# Altium PCB DIOT_temperature_logger.PcbDoc (part 4 of 8)
Units mm, origin at the board's own origin, x right, y up, seen from the top; angles counter-clockwise.
Board outline 300.88 x 109 mm, 4 copper layers (TOP, MID1, MID2, BOT), stack 1.564 mm thick; 654 components, 622 nets, 3422 pads, 1095 vias.
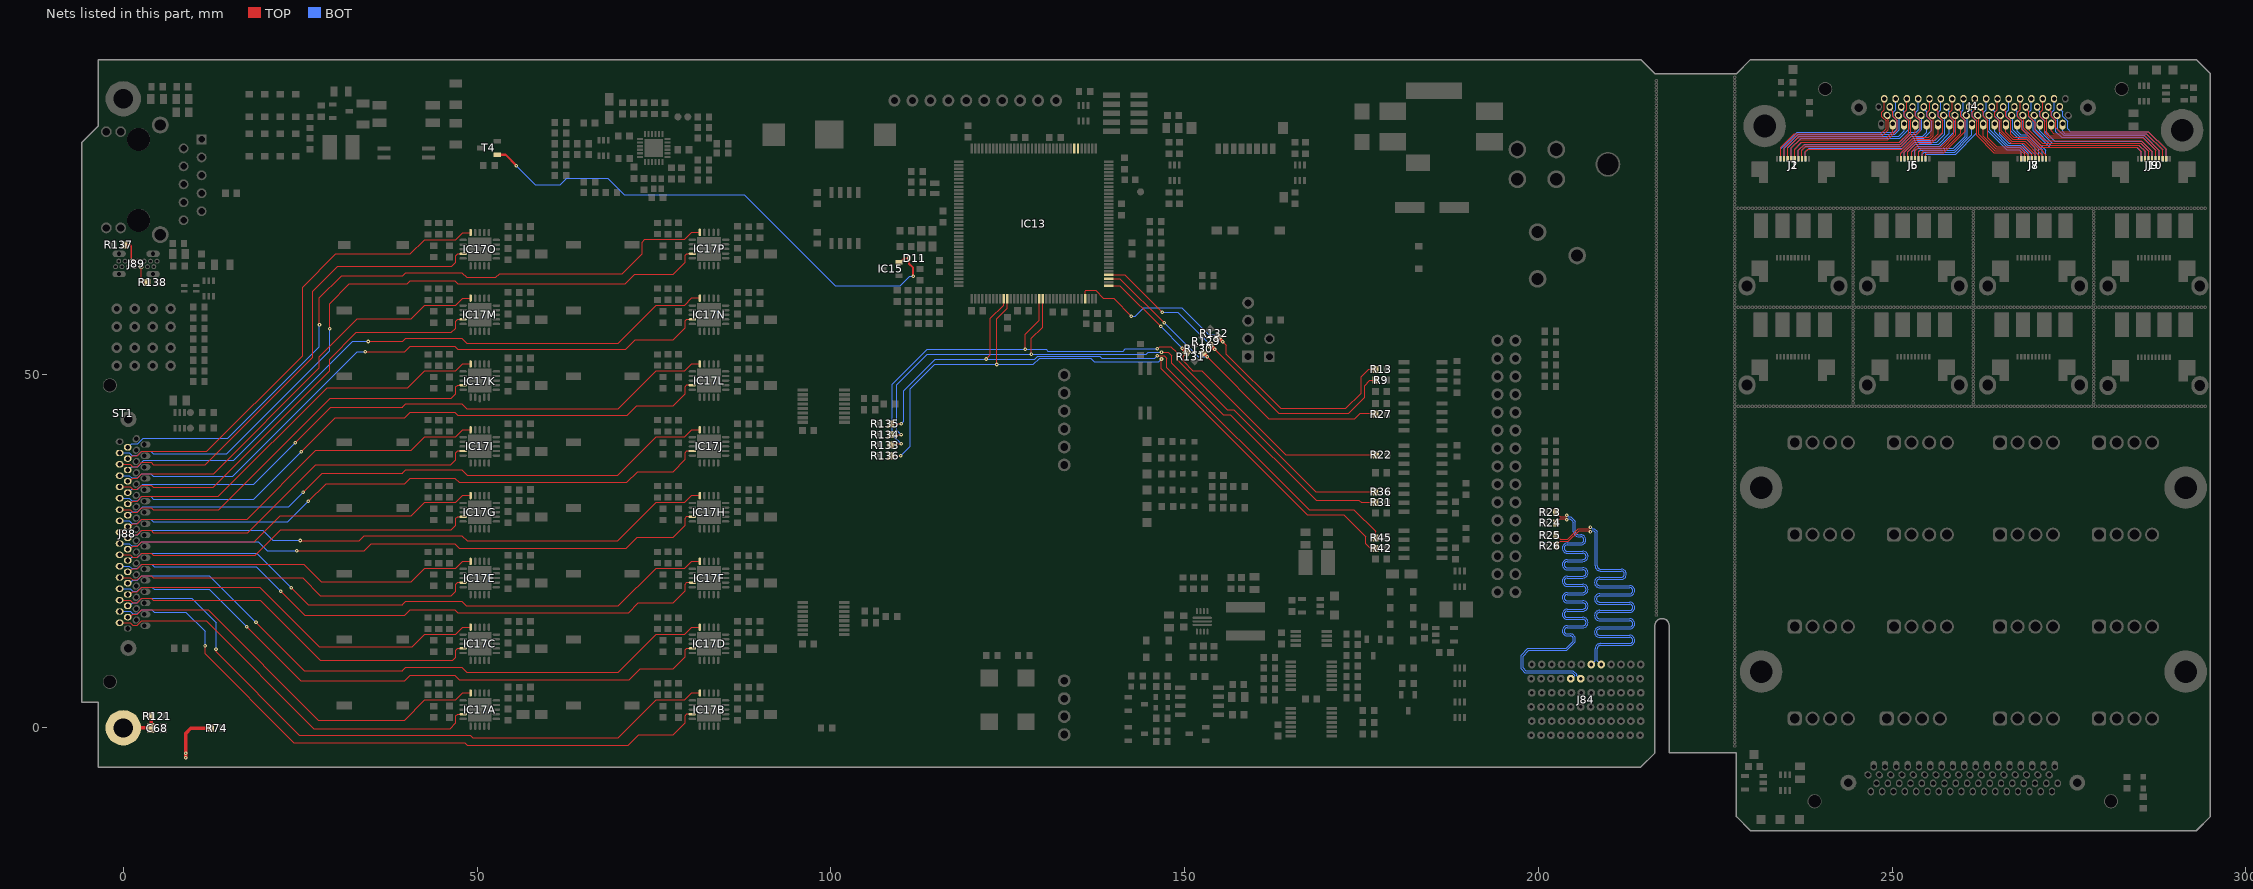
[diagram p6: the nets of this part, all layers, seen from the top]

## Via types
v1: diameter 0.5, hole 0.2, TOP to BOT, tented both sides, 913 vias
v2: diameter 0.5, hole 0.2, TOP to BOT, 98 vias
v3: diameter 0.6, hole 0.3, TOP to BOT, tented both sides, 84 vias

## Nets (pads, with @x,y where several pads share a name; then routed paths per layer and width w, separated by ;. In a path a pad name is that pad's centre, name@x,y a point inside that pad or via, vN(x,y) a via of type N, cw(c..) or ccw(c..) an arc to the next point about the centre after c; other vN are vias at no path point) (continued)
BP_IO.LVDS6_N: J84.H5 R24.1 | length 72.1
  TOP w0.127: R24.1@202.48,28.95 202.867,29.337 202.867,29.387 203.03,29.55 203.83,29.55 v1(203.98,29.4)
  BOT w0.127: v1(203.98,29.4) 204.067,29.4 204.241,29.574 204.429,29.574 204.678,29.325 204.951,29.052 204.951,27.735 ccw(c205.675,27.735) 205.675,27.011 205.989,27.011 cw(c205.989,26.566) 205.989,26.122 204.086,26.122 ccw(c204.086,25.398) 204.086,24.674 206.288,24.674 cw(c206.288,24.229) 206.288,23.785 204.086,23.785 ccw(c204.086,23.061) 204.086,22.337 206.288,22.337 cw(c206.288,21.893) 206.288,21.448 204.086,21.448 ccw(c204.086,20.724) 204.086,20 206.288,20 cw(c206.288,19.556) 206.288,19.111 204.086,19.111 ccw(c204.086,18.387) 204.086,17.664 206.288,17.664 cw(c206.288,17.219) 206.288,16.775 204.086,16.775 ccw(c204.086,16.051) 204.086,15.327 206.288,15.327 cw(c206.288,14.882) 206.288,14.438 204.086,14.438 ccw(c204.086,13.714) 204.086,12.99 204.506,12.99 cw(c204.506,12.545) 204.951,12.545 204.951,12.342 204.951,12.266 203.914,11.229 198.514,11.229 197.551,10.266 197.551,8.359 198.092,7.818 204.748,7.818 205.129,7.437 205.129,7.332 204.747,6.95 J84.H5@204.619,6.95
BP_IO.LVDS6_P: J84.G5 R23.1 | length 72.7
  TOP w0.127: R23.1@202.48,30.45 202.867,30.064 202.867,30.014 203.051,29.829 203.751,29.829 203.787,29.866 203.98,29.866 v1(203.98,30.027)
  BOT w0.127: v1(203.98,30.027) 204.067,30.027 204.241,29.853 204.545,29.853 205.073,29.325 205.23,29.168 205.23,27.735 ccw(c205.675,27.735) 205.675,27.29 205.989,27.29 cw(c205.989,26.566) 205.989,25.842 204.086,25.842 ccw(c204.086,25.398) 204.086,24.953 206.288,24.953 cw(c206.288,24.229) 206.288,23.506 204.086,23.506 ccw(c204.086,23.061) 204.086,22.617 206.288,22.617 cw(c206.288,21.893) 206.288,21.169 204.086,21.169 ccw(c204.086,20.724) 204.086,20.28 206.288,20.28 cw(c206.288,19.556) 206.288,18.832 204.086,18.832 ccw(c204.086,18.387) 204.086,17.943 206.288,17.943 cw(c206.288,17.219) 206.288,16.495 204.086,16.495 ccw(c204.086,16.051) 204.086,15.606 206.288,15.606 cw(c206.288,14.882) 206.288,14.158 204.086,14.158 ccw(c204.086,13.714) 204.086,13.269 204.506,13.269 cw(c204.506,12.545) 205.23,12.545 205.23,12.342 205.23,12.15 204.03,10.95 198.63,10.95 197.83,10.15 197.83,8.475 198.208,8.097 204.864,8.097 205.408,7.553 205.408,7.332 205.79,6.95 J84.G5@205.919,6.95
BP_IO.LVDS7_N: J84.F6 R26.1 | length 72.2
  TOP w0.127: R26.1@202.48,25.75 203.104,26.374 204.244,26.374 205.744,27.874 207.147,27.874 207.162,27.859 207.355,27.859 v1(207.355,27.698)
  BOT w0.127: v1(207.355,27.698) 207.442,27.698 207.616,27.872 207.804,27.872 208.029,27.647 208.029,27.075 208.029,22.881 ccw(c208.753,22.881) 208.753,22.157 211.707,22.157 cw(c211.707,21.712) 211.707,21.268 208.646,21.268 ccw(c208.646,20.544) 208.646,19.82 212.89,19.82 cw(c212.89,19.375) 212.89,18.931 208.646,18.931 ccw(c208.646,18.207) 208.646,17.483 212.89,17.483 cw(c212.89,17.039) 212.89,16.594 208.646,16.594 ccw(c208.646,15.87) 208.646,15.146 212.89,15.146 cw(c212.89,14.702) 212.89,14.257 208.646,14.257 ccw(c208.646,13.533) 208.646,12.81 212.89,12.81 cw(c212.89,12.365) 212.89,11.921 208.753,11.921 ccw(c208.753,11.197) 208.029,11.197 208.029,9.825 208.029,9.51 207.519,9 J84.F6@207.519,8.95
BP_IO.LVDS7_P: J84.E6 R25.1 | length 72.6
  TOP w0.127: R25.1@202.48,27.25 203.077,26.653 204.128,26.653 205.628,28.153 207.151,28.153 207.162,28.164 207.194,28.164 v1(207.355,28.325)
  BOT w0.127: v1(207.355,28.325) 207.442,28.325 207.616,28.151 207.92,28.151 208.308,27.763 208.308,27.075 208.308,22.881 ccw(c208.753,22.881) 208.753,22.436 211.707,22.436 cw(c211.707,21.712) 211.707,20.988 208.646,20.988 ccw(c208.646,20.544) 208.646,20.099 212.89,20.099 cw(c212.89,19.375) 212.89,18.652 208.646,18.652 ccw(c208.646,18.207) 208.646,17.763 212.89,17.763 cw(c212.89,17.039) 212.89,16.315 208.646,16.315 ccw(c208.646,15.87) 208.646,15.426 212.89,15.426 cw(c212.89,14.702) 212.89,13.978 208.646,13.978 ccw(c208.646,13.533) 208.646,13.089 212.89,13.089 cw(c212.89,12.365) 212.89,11.641 208.753,11.641 ccw(c208.753,11.197) 208.308,11.197 208.308,9.825 208.308,9.51 J84.E6@208.869,8.95 J84.E6@208.919,8.95
CC1: J89.B5 R138.1 | length 3
  TOP w0.152: J89.B5@2.51,65.17 2.51,63.12 2.68,62.95 R138.1@3.38,62.95
CC2: J89.A5 R137.2 | length 3.2
  TOP w0.2: R137.2@0.18,68.25 0.96,68.25 1.16,68.05 J89.A5@1.16,65.95
CHASSIS: C68.1 R74.2 R121.2 ST1.0 | length 13.1
  TOP w0.5: ST1.0@0,0 3.83,0 C68.1@3.88,-0.05 3.98,-0.05 R121.2@3.98,1.65 ; v2(8.805,-4.25) v2(8.805,-3.582) 8.805,-0.8 9.555,-0.05 R74.2@12.4,-0.05
CPU_RESETn: D11.1 IC15.2 T4.1 | length 72.2
  TOP w0.3: T4.1@52.83,81 54.03,81 55.555,79.475 v2(55.555,79.45) ; IC15.2@109.63,65.8 109.805,65.8 110.355,66.35 D11.1@111.03,66.35 111.03,65.625 111.63,65.025 v1(111.63,63.8)
  BOT w0.152: v2(55.555,79.45) 58.255,76.75 61.78,76.75 62.68,77.65 68.48,77.65 70.805,75.325 87.755,75.325 100.63,62.45 109.78,62.45 111.13,63.8 v1(111.63,63.8)
CSN: IC13.73 R22.1 R131.2 | length 49
  TOP w0.152: IC13.73@139.305,62.5 140.83,62.5 v1(146.605,56.725) ; R131.2@150.314,53.016 149.78,52.481 149.78,51.875 151.155,50.5 152.405,50.5 164.32,38.585 R22.1@177.015,38.585
  TOP w0.5: v1(149.68,53.65) 149.705,53.625 R131.2@150.314,53.016
  BOT w0.152: v1(146.605,56.725) v1(149.68,53.65)
EEM_GPIO_0: IC13.56 R36.1 R133.2 | length 98.1
  TOP w0.152: R133.2@108.48,40.15 108.505,40.125 v1(109.93,40.125) ; v1(127.455,53.475) 127.455,55.625 129.43,57.6 IC13.56@129.43,60.625 ; v1(146.155,53.575) 146.455,53.875 148.03,53.875 148.855,53.05 148.855,52.1 156.005,44.95 156.93,44.95 168.53,33.35 R36.1@176.98,33.35
  BOT w0.152: v1(109.93,40.125) 108.705,41.35 108.705,48.525 113.655,53.475 v1(127.455,53.475) 130.455,53.475 130.68,53.25 141.305,53.25 141.63,53.575 v1(146.155,53.575)
EEM_GPIO_1: IC13.57 R31.1 R134.2 | length 96.2
  TOP w0.152: R134.2@108.48,41.45 v1(109.93,41.45) ; v2(128.355,52.825) 128.355,55.05 129.93,56.625 IC13.57@129.93,60.625 ; v1(146.73,53.1) 147.655,53.1 148.155,52.6 148.155,51.55 155.43,44.275 156.48,44.275 168.58,32.175 174.605,32.175 174.93,31.85 R31.1@176.98,31.85
  BOT w0.152: v1(109.93,41.45) 109.33,42.05 109.33,48.5 113.63,52.8 128.33,52.8 v2(128.355,52.825) 144.605,52.825 144.88,53.1 v1(146.73,53.1)
EEM_GPIO_2: IC13.46 R45.1 R135.2 | length 96.9
  TOP w0.152: R135.2@108.48,42.95 v1(109.93,42.95) ; v1(121.98,52.125) 122.555,52.7 122.555,57.875 124.43,59.75 IC13.46@124.43,60.625 ; v1(146.13,52.6) 147.105,52.6 147.48,52.225 147.48,50.9 167.58,30.8 173.93,30.8 176.98,27.75 R45.1@176.98,26.75
  BOT w0.152: v1(109.93,42.95) 110.28,43.3 110.28,47.65 114.755,52.125 v1(121.98,52.125) 128.83,52.125 129.234,52.529 137.996,52.529 138.3,52.225 145.755,52.225 v1(146.13,52.6)
EEM_GPIO_3: IC13.47 R42.1 R136.2 | length 101.7
  TOP w0.152: R136.2@108.48,38.45 v1(109.883,38.45) ; v1(123.455,51.35) 123.455,57.8 124.93,59.275 IC13.47@124.93,60.625 ; v2(146.73,52.125) 146.73,50.725 154.764,42.691 167.355,30.1 172.455,30.1 175.58,26.975 175.58,26.025 176.255,25.35 R42.1@176.98,25.35
  BOT w0.152: v1(109.883,38.45) 111.255,39.822 111.255,47.9 114.705,51.35 v1(123.455,51.35) 128.63,51.35 129.53,52.25 136.755,52.25 137.255,51.75 146.355,51.75 v2(146.73,52.125)
EEM_SCK: IC13.69 R13.1 R132.2 | length 55.3
  TOP w0.152: IC13.69@135.93,60.625 135.93,61.7 136.055,61.825 137.405,61.825 138.53,60.7 139.98,60.7 142.48,58.2 v1(142.48,58.163) ; v1(155.38,54.55) 155.88,54.05 155.88,52.825 163.555,45.15 172.805,45.15 174.93,47.275 174.93,49.575 174.955,49.6 176.005,50.65 R13.1@176.98,50.65
  TOP w0.5: R132.2@154.746,55.184 v1(155.38,54.55)
  BOT w0.152: v1(142.48,58.163) 143.043,58.163 144.23,59.35 149.58,59.35 153.38,55.55 154.38,55.55 v1(155.38,54.55)
EEM_SDI: IC13.76 R9.1 R129.2 | length 49.5
  TOP w0.152: IC13.76@139.305,64 141.555,64 v1(146.83,58.725) ; v1(154.23,53.5) 163.28,44.45 173.18,44.45 175.43,46.7 175.43,48.367 176.178,49.115 R9.1@176.98,49.115
  TOP w0.5: R129.2@153.646,54.084 v1(154.23,53.5)
  BOT w0.152: v1(146.83,58.725) 149.005,58.725 v1(154.23,53.5)
EEM_SDO: IC13.75 R27.1 R130.2 | length 47
  TOP w0.152: IC13.75@139.305,63.5 140.855,63.5 v1(147.13,57.225) ; v1(153.18,52.425) 161.905,43.7 174.055,43.7 174.805,44.45 R27.1@176.98,44.45
  TOP w0.5: R130.2@152.596,53.009 v1(153.18,52.425)
  BOT w0.152: v1(147.13,57.225) 151.93,52.425 v1(153.18,52.425)
FDCAN1_RX: IC13.115
FDCAN1_TX: IC13.114
FFORCE_N00: J1.2 J4.36 | length 22.2
  TOP w0.152: J1.2@234.23,80.45 234.23,82.05 236.155,83.975 248.405,83.975 249.13,84.7 249.13,85.769 248.527,86.371 248.527,87.022 248.875,87.37 J4.36@248.875,88.9
FFORCE_N01: J2.9 J4.38 | length 23.7
  BOT w0.152: J2.9@234.23,80.45 234.23,81.825 236.598,84.193 250.223,84.193 250.73,84.7 250.73,85.769 250.127,86.371 250.127,87.022 250.475,87.37 J4.38@250.475,88.9
FFORCE_N02: J1.6 J4.40 | length 23.6
  TOP w0.152: J1.6@236.23,80.45 236.23,81.8 237.18,82.75 251.03,82.75 252.33,84.05 252.33,85.769 251.727,86.371 251.727,87.022 252.075,87.37 J4.40@252.075,88.9
FFORCE_N03: J2.5 J4.42 | length 24.8
  BOT w0.152: J2.5@236.22,80.45 236.22,81.79 237.205,82.775 251.055,82.775 252.448,84.168 253.373,84.168 253.93,84.725 253.93,85.769 253.327,86.371 253.327,87.022 253.675,87.37 J4.42@253.675,88.9
FFORCE_N04: J4.44 J5.2 | length 11.6
  TOP w0.152: J5.2@251.23,80.45 251.23,81.225 253.443,83.438 255.183,83.438 255.528,83.784 255.528,85.771 254.927,86.371 254.927,87.022 255.275,87.37 J4.44@255.275,88.9
FFORCE_N05: J4.46 J6.9 | length 13.1
  BOT w0.152: J6.9@251.23,80.45 251.23,81.225 ; 251.246,81.241 253.055,83.05 256.112,83.05 257.13,84.068 257.13,85.769 256.527,86.371 256.527,87.022 256.875,87.37 J4.46@256.875,88.9
FFORCE_N06: J4.48 J5.6 | length 13
  TOP w0.152: J5.6@253.23,80.45 253.23,81.56 253.807,82.138 256.958,82.138 258.728,83.909 258.728,85.771 258.127,86.371 258.127,87.022 258.475,87.37 J4.48@258.475,88.9
FFORCE_N07: J4.50 J6.5 | length 14.7
  BOT w0.152: J6.5@253.22,80.45 253.22,81.544 253.608,81.932 258.627,81.932 260.33,83.635 260.33,85.769 259.727,86.371 259.727,87.022 260.075,87.37 J4.50@260.075,88.9
FFORCE_N08: J4.52 J7.2 | length 13.6
  TOP w0.152: J4.52@261.675,88.9 261.675,87.37 261.327,87.022 261.327,86.371 261.928,85.771 261.928,83.757 264.385,81.3 268.042,81.3 268.23,81.112 J7.2@268.23,80.505 ; J7.2@268.175,80.505 J7.2@268.23,80.45
FFORCE_N09: J4.54 J8.9 | length 11.8
  BOT w0.152: J4.54@263.275,88.9 263.275,87.37 262.927,87.022 262.927,86.371 263.53,85.769 263.53,84.35 266.155,81.725 267.945,81.725 268.23,81.44 J8.9@268.23,80.45
FFORCE_N10: J4.56 J7.6 | length 12
  TOP w0.152: J4.56@264.875,88.9 264.875,87.37 264.527,87.022 264.527,86.371 265.128,85.771 265.128,84.302 266.83,82.6 268.605,82.6 270.23,80.975 J7.6@270.23,80.45
FFORCE_N11: J4.58 J8.5 | length 10.9
  BOT w0.152: J4.58@266.475,88.9 266.475,87.37 266.127,87.022 266.127,86.371 266.73,85.769 266.73,84.35 267.855,83.225 268.915,83.225 270.22,81.92 J8.5@270.22,80.45
FFORCE_N12: J4.60 J9.2 | length 23.9
  TOP w0.152: J4.60@268.075,88.9 268.075,87.37 267.727,87.022 267.727,86.371 268.328,85.771 268.328,84.628 270.906,82.05 284.605,82.05 285.23,81.426 J9.2@285.23,80.45
FFORCE_N13: J4.62 J10.9 | length 22.4
  BOT w0.152: J4.62@269.675,88.9 269.675,87.37 269.327,87.022 269.327,86.371 269.93,85.769 269.93,84.4 272.268,82.062 284.568,82.062 285.23,81.4 J10.9@285.23,80.45
FFORCE_N14: J4.64 J9.6 | length 23.1
  TOP w0.152: J4.64@271.275,88.9 271.275,87.37 270.927,87.022 270.927,86.371 271.528,85.771 271.528,84.217 271.53,84.215 271.53,84.05 272.159,83.421 274.789,83.421 274.794,83.416 285.439,83.416 287.23,81.625 J9.6@287.23,80.45
FFORCE_N15: J4.66 J10.5 | length 21.4
  BOT w0.152: J4.66@272.875,88.9 272.875,87.37 272.527,87.022 272.527,86.371 273.13,85.769 273.13,84.275 273.968,83.437 285.418,83.437 287.22,81.635 J10.5@287.22,80.45
FFORCE_P00: J1.5 J4.37 | length 21.2
  TOP w0.152: J1.5@235.74,80.45 235.74,81.96 236.917,83.137 249.342,83.137 250.73,84.525 250.73,85.769 250.08,86.419 250.08,87.056 249.675,87.461 J4.37@249.675,87.75
FFORCE_P01: J2.6 J4.39 | length 22.8
  BOT w0.152: J2.6@235.73,80.45 235.73,81.95 237.134,83.354 251.073,83.354 252.38,84.662 252.38,85.719 251.68,86.419 251.68,87.056 251.275,87.461 J4.39@251.275,87.75
FFORCE_P02: J1.9 J4.41 | length 22.2
  TOP w0.152: J1.9@237.73,80.45 237.73,81.425 238.08,81.775 251.355,81.775 253.93,84.35 253.93,85.769 253.28,86.419 253.28,87.056 252.875,87.461 J4.41@252.875,87.75
FFORCE_P03: J2.2 J4.43 | length 23.8
  BOT w0.152: J2.2@237.73,80.45 237.73,81.425 238.242,81.937 251.517,81.937 252.909,83.329 254.434,83.329 255.58,84.475 255.58,85.719 254.88,86.419 254.88,87.056 254.475,87.461 J4.43@254.475,87.75
FFORCE_P04: J4.45 J5.5 | length 10.5
  TOP w0.152: J5.5@252.74,80.45 252.74,81.466 253.874,82.6 255.53,82.6 257.13,84.2 257.13,85.769 256.48,86.419 256.48,87.056 256.075,87.461 J4.45@256.075,87.75
FFORCE_P05: J4.47 J6.6 | length 12.2
  BOT w0.152: J6.6@252.73,80.45 252.73,81.45 253.492,82.212 256.717,82.212 258.78,84.275 258.78,85.719 258.08,86.419 258.08,87.056 257.675,87.461 J4.47@257.675,87.75
FFORCE_P06: J4.49 J5.9 | length 11.5
  TOP w0.152: J5.9@254.73,80.45 254.73,81.174 254.855,81.3 257.305,81.3 260.33,84.325 260.33,85.769 259.68,86.419 259.68,87.056 259.275,87.461 J4.49@259.275,87.75
FFORCE_P07: J4.51 J6.2 | length 13.2
  BOT w0.152: J6.2@254.73,80.45 254.73,81.005 254.819,81.094 258.974,81.094 261.98,84.1 261.98,85.719 261.28,86.419 261.28,87.056 260.875,87.461 J4.51@260.875,87.75
FFORCE_P08: J4.53 J7.5 | length 12.5
  TOP w0.152: J4.53@262.475,87.75 262.475,87.461 262.88,87.056 262.88,86.419 263.53,85.769 263.53,83.365 264.757,82.138 268.566,82.138 269.74,80.965 J7.5@269.74,80.45
FFORCE_P09: J4.55 J8.6 | length 10.7
  BOT w0.152: J4.55@264.075,87.75 264.075,87.461 264.48,87.056 264.48,86.419 265.18,85.719 265.18,83.921 266.451,82.65 268.205,82.65 269.73,81.125 J8.6@269.73,80.45
FFORCE_P10: J4.57 J7.9 | length 10.8
  TOP w0.152: J4.57@265.675,87.461 266.08,87.056 266.08,86.419 266.73,85.769 266.73,83.885 267.161,83.454 269.101,83.454 269.105,83.45 269.111,83.45 270.79,81.771 270.984,81.771 271.73,81.025 J7.9@271.73,80.45
FFORCE_P11: J4.59 J8.2 | length 9.4
  BOT w0.152: J4.59@267.275,87.75 267.275,87.461 267.68,87.056 267.68,86.419 268.38,85.719 268.38,84.587 268.843,84.125 269.205,84.125 271.73,81.6 J8.2@271.73,80.45
FFORCE_P12: J4.61 J9.5 | length 22.6
  TOP w0.152: J4.61@268.875,87.75 268.875,87.461 269.28,87.056 269.28,86.419 270.205,85.494 270.205,84.4 271.63,82.975 285.178,82.975 286.74,81.413 J9.5@286.74,80.45
FFORCE_P13: J4.63 J10.6 | length 21.2
  BOT w0.152: J4.63@270.475,87.75 270.475,87.461 270.88,87.056 270.88,86.419 271.58,85.719 271.58,84.3 272.98,82.9 285.255,82.9 286.73,81.425 J10.6@286.73,80.45
FFORCE_P14: J4.65 J9.9 | length 21.5
  TOP w0.152: J4.65@272.075,87.75 272.075,87.461 272.48,87.056 272.48,86.419 273.13,85.769 273.13,84.8 273.655,84.275 286.205,84.275 288.73,81.75 J9.9@288.73,80.45
FFORCE_P15: J4.67 J10.2 | length 20
  BOT w0.152: J4.67@273.675,87.75 273.675,87.461 274.08,87.056 274.08,86.419 274.78,85.719 274.78,84.675 275.18,84.275 286.205,84.275 288.73,81.75 J10.2@288.73,80.45
FORCE_N00: IC17A.9 J88.36 | length 56.7
  TOP w0.152: J88.36@-0.52,14.845 1.01,14.845 1.358,14.497 2.009,14.497 2.611,15.1 11.73,15.1 26.93,-0.1 46.18,-0.1 47.005,0.725 47.005,1.7 47.255,1.95 IC17A.9@48.03,1.95
FORCE_N01: IC17B.9 J88.38 | length 93.6
  TOP w0.152: v1(11.555,11.625) 11.555,10.45 24.08,-2.075 48.23,-2.075 48.605,-2.45 71.355,-2.45 72.855,-0.95 77.705,-0.95 79.405,0.75 79.405,1.725 79.655,1.975 IC17B.9@80.43,1.975
  BOT w0.152: J88.38@-0.52,16.445 1.01,16.445 1.358,16.097 2.009,16.097 2.611,16.7 4.043,16.7 4.38,16.363 8.842,16.363 11.555,13.65 v1(11.555,11.625)
FORCE_N02: IC17C.9 J88.40 | length 53.9
  TOP w0.152: J88.40@-0.52,18.045 1.01,18.045 1.358,17.697 2.009,17.697 2.611,18.3 3.93,18.3 4.23,18 19.33,18 27.805,9.525 46.53,9.525 47.005,10 47.005,10.975 47.255,11.225 IC17C.9@48.03,11.225
FORCE_N03: IC17D.9 J88.42 | length 89.8
  TOP w0.152: v1(17.455,14.275) 25.105,6.625 39.78,6.625 40.555,7.4 46.855,7.4 47.48,6.775 71.48,6.775 73.03,8.325 77.705,8.325 79.405,10.025 79.405,11 79.655,11.25 IC17D.9@80.43,11.25
  BOT w0.152: J88.42@-0.52,19.645 1.01,19.645 1.358,19.297 2.009,19.297 2.611,19.9 4.043,19.9 4.38,19.563 12.167,19.563 v1(17.455,14.275)
FORCE_N04: IC17E.9 J88.44 | length 51.4
  TOP w0.152: J88.44@-0.52,21.245 1.01,21.245 1.358,20.897 2.009,20.897 2.611,21.5 3.93,21.5 4.23,21.2 25.33,21.2 27.83,18.7 46.38,18.7 47.005,19.325 47.005,20.3 47.255,20.55 IC17E.9@48.03,20.55
FORCE_N05: IC17F.9 J88.46 | length 87.1
  TOP w0.152: v2(22.255,19.325) 25.655,15.925 39.78,15.925 40.555,16.7 46.855,16.7 47.28,16.275 71.43,16.275 72.805,17.65 77.705,17.65 79.405,19.35 79.405,20.325 79.655,20.575 IC17F.9@80.43,20.575
  BOT w0.152: J88.46@-0.52,22.845 0.854,22.845 1.178,22.521 2.032,22.521 2.609,23.098 4.041,23.098 4.378,22.761 18.819,22.761 v2(22.255,19.325)
FORCE_N06: IC17G.9 J88.48 | length 51.9
  TOP w0.152: J88.48@-0.52,24.445 1.01,24.445 1.358,24.097 2.009,24.097 2.611,24.7 3.93,24.7 4.23,24.4 18.68,24.4 22.255,27.975 46.355,27.975 47.005,28.625 47.005,29.6 47.255,29.85 IC17G.9@48.03,29.85
FORCE_N07: IC17H.9 J88.50 | length 85
  TOP w0.152: v1(24.505,25) 34.055,25 35.055,26 40.555,26 46.855,26 47.505,25.35 71.055,25.35 72.655,26.95 77.705,26.95 79.405,28.65 79.405,29.625 79.655,29.875 IC17H.9@80.43,29.875
  BOT w0.152: J88.50@-0.52,26.045 0.854,26.045 1.178,25.721 2.032,25.721 2.508,26.197 2.609,26.298 19.057,26.298 20.355,25 v1(24.505,25)
FORCE_N08: IC17I.9 J88.52 | length 54.4
  TOP w0.152: J88.52@-0.52,27.645 1.01,27.645 1.358,27.297 2.009,27.297 2.611,27.9 3.93,27.9 4.23,27.6 17.605,27.6 27.205,37.2 46.305,37.2 47.005,37.9 47.005,38.875 47.255,39.125 IC17I.9@48.03,39.125
FORCE_N09: IC17J.9 J88.54 | length 86.7
  TOP w0.152: v2(26.13,32) 28.655,34.525 39.78,34.525 40.555,35.3 46.855,35.3 47.48,34.675 71.155,34.675 72.705,36.225 77.705,36.225 79.405,37.925 79.405,38.9 79.655,39.15 IC17J.9@80.43,39.15
  BOT w0.152: J88.54@-0.52,29.245 0.854,29.245 1.178,28.921 2.032,28.921 2.611,29.5 3.855,29.5 4.224,29.131 23.261,29.131 v2(26.13,32)
FORCE_N10: IC17K.9 J88.56 | length 56.9
  TOP w0.152: J88.56@-0.52,30.845 1.01,30.845 1.358,30.497 2.009,30.497 2.611,31.1 3.938,31.1 4.236,30.803 13.483,30.803 29.23,46.55 46.33,46.55 47.005,47.225 47.005,48.2 47.255,48.45 IC17K.9@48.03,48.45
FORCE_N11: IC17L.9 J88.58 | length 89.1
  TOP w0.152: v2(25.13,39) 29.955,43.825 39.78,43.825 40.555,44.6 46.855,44.6 47.28,44.175 48.055,44.175 71.205,44.175 72.58,45.55 77.705,45.55 79.405,47.25 79.405,48.225 79.655,48.475 IC17L.9@80.43,48.475
  BOT w0.152: J88.58@-0.52,32.445 0.854,32.445 1.178,32.121 2.032,32.121 2.611,32.7 3.855,32.7 4.23,32.325 18.455,32.325 v2(25.13,39)
FORCE_N12: IC17M.9 J88.60 | length 60.4
  TOP w0.152: J88.60@-0.52,34.045 1.01,34.045 1.358,33.697 2.009,33.697 2.611,34.3 ; 2.62,34.3 3.939,34.3 4.239,34 12.705,34 29.155,50.45 29.155,52.125 32.905,55.875 46.38,55.875 47.005,56.5 47.005,57.475 47.255,57.725 IC17M.9@48.03,57.725
FORCE_N13: IC17N.9 J88.62 | length 91.6
  TOP w0.152: v1(34.205,53.125) 39.78,53.125 40.555,53.9 46.855,53.9 47.28,53.475 71.03,53.475 72.38,54.825 77.705,54.825 79.405,56.525 79.405,57.5 79.655,57.75 IC17N.9@80.43,57.75
  BOT w0.152: J88.62@-0.52,35.645 0.854,35.645 1.178,35.321 2.032,35.321 2.611,35.9 3.88,35.9 4.255,35.525 15.48,35.525 33.08,53.125 v1(34.205,53.125)
FORCE_N14: IC17O.9 J88.64 | length 67.4
  TOP w0.152: J88.64@-0.52,37.245 1.01,37.245 1.358,36.897 2.009,36.897 2.611,37.5 ; 2.619,37.5 3.937,37.5 4.237,37.2 11.58,37.2 26.78,52.4 26.78,61.7 30.305,65.225 46.455,65.225 47.005,65.775 47.005,66.75 47.255,67 IC17O.9@48.03,67
FORCE_N15: IC17P.9 J88.66 | length 98
  TOP w0.152: v1(29.155,56.425) 29.155,59.95 31.955,62.75 40.13,62.75 40.555,63.175 46.855,63.175 47.28,62.75 70.93,62.75 72.28,64.1 77.705,64.1 79.405,65.8 79.405,66.775 79.655,67.025 IC17P.9@80.43,67.025
  BOT w0.152: J88.66@-0.52,38.845 0.854,38.845 1.178,38.521 2.032,38.521 2.611,39.1 3.855,39.1 4.23,38.725 14.605,38.725 29.155,53.275 v1(29.155,56.425)
FORCE_P00: IC17A.5 J88.37 | length 56.9
  TOP w0.152: J88.37@0.63,15.645 0.919,15.645 1.324,16.05 1.961,16.05 2.611,16.7 3.855,16.7 11.98,16.7 27.58,1.1 39.755,1.1 42.605,3.95 46.955,3.95 47.955,4.95 IC17A.5@49.08,4.95
FORCE_P01: IC17B.5 J88.39 | length 94.5
  TOP w0.152: v1(13.105,11.125) 13.105,10.725 24.905,-1.075 49.055,-1.075 49.38,-1.4 69.955,-1.4 75.33,3.975 79.355,3.975 80.355,4.975 IC17B.5@81.48,4.975
  BOT w0.152: J88.39@0.63,17.245 0.919,17.245 1.324,17.65 1.961,17.65 2.611,18.3 9.68,18.3 13.105,14.875 v1(13.105,11.125)
FORCE_P02: IC17C.5 J88.41 | length 53.5
  TOP w0.152: J88.41@0.63,18.845 0.919,18.845 1.324,19.25 1.961,19.25 2.611,19.9 3.855,19.9 19.305,19.9 27.73,11.475 40.855,11.475 42.605,13.225 46.955,13.225 47.955,14.225 IC17C.5@49.08,14.225
FORCE_P03: IC17D.5 J88.43 | length 89.9
  TOP w0.152: v1(18.755,14.925) 25.58,8.1 39.48,8.1 ; 39.53,8.15 39.955,8.575 47.855,8.575 48.555,7.875 69.955,7.875 75.33,13.25 79.355,13.25 80.355,14.25 IC17D.5@81.48,14.25
  BOT w0.152: J88.43@0.63,20.445 0.919,20.445 1.324,20.85 1.961,20.85 2.611,21.5 12.18,21.5 v1(18.755,14.925)
FORCE_P04: IC17E.5 J88.45 | length 51.1
  TOP w0.152: J88.45@0.63,22.045 0.919,22.045 1.324,22.45 1.961,22.45 2.611,23.1 3.855,23.1 25.48,23.1 27.955,20.625 38.63,20.625 40.68,20.625 42.605,22.55 46.955,22.55 47.955,23.55 IC17E.5@49.08,23.55
FORCE_P05: IC17F.5 J88.47 | length 87.3
  TOP w0.152: v2(23.755,19.8) 26.155,17.4 39.48,17.4 ; 39.53,17.45 39.955,17.875 47.855,17.875 48.505,17.225 69.98,17.225 75.33,22.575 79.355,22.575 80.355,23.575 IC17F.5@81.48,23.575
  BOT w0.152: J88.47@0.63,23.645 0.738,23.645 1.214,24.121 2.032,24.121 2.609,24.698 18.857,24.698 v2(23.755,19.8)
FORCE_P06: IC17G.5 J88.49 | length 51.6
  TOP w0.152: J88.49@0.63,25.245 0.919,25.245 1.324,25.65 1.961,25.65 2.611,26.3 18.53,26.3 22.18,29.95 40.705,29.95 42.605,31.85 46.955,31.85 47.955,32.85 IC17G.5@49.08,32.85
FORCE_P07: IC17H.5 J88.51 | length 85.1
  TOP w0.152: v1(25.005,26.475) 33.33,26.475 34.03,27.175 39.955,27.175 47.855,27.175 48.605,26.425 69.88,26.425 75.33,31.875 79.355,31.875 80.355,32.875 IC17H.5@81.48,32.875
  BOT w0.152: J88.51@0.63,26.845 0.738,26.845 1.214,27.321 2.032,27.321 2.609,27.898 19.732,27.898 21.147,26.483 v1@24.997,26.483
FORCE_P08: IC17I.5 J88.53 | length 54.4
  TOP w0.152: IC17I.5@49.08,42.125 47.955,42.125 46.955,41.125 42.605,41.125 40.68,39.2 38.63,39.2 27.205,39.2 17.505,29.5 2.611,29.5 1.961,28.85 1.324,28.85 J88.53@0.919,28.445 ; J88.53@0.919,28.445 J88.53@0.63,28.445 J88.53@0.919,28.445
FORCE_P09: IC17J.5 J88.55 | length 86.4
  TOP w0.152: v2(25.405,33.275) 28.13,36 39.48,36 ; 39.53,36.05 39.955,36.475 47.855,36.475 48.605,35.725 69.905,35.725 75.33,41.15 79.355,41.15 80.355,42.15 IC17J.5@81.48,42.15
  BOT w0.152: J88.55@0.63,30.045 0.738,30.045 1.214,30.521 2.032,30.521 2.736,31.225 23.355,31.225 v2(25.405,33.275)
FORCE_P10: IC17K.5 J88.57 | length 56.7
  TOP w0.152: J88.57@0.63,31.645 0.919,31.645 1.324,32.05 1.961,32.05 2.611,32.7 13.43,32.7 28.805,48.075 40.23,48.075 42.605,50.45 46.955,50.45 47.955,51.45 IC17K.5@49.08,51.45
FORCE_P11: IC17L.5 J88.59 | length 88.9
  TOP w0.152: v2(24.305,40.275) 29.33,45.3 39.48,45.3 ; 39.53,45.35 39.955,45.775 47.855,45.775 48.53,45.1 49.205,45.1 69.955,45.1 75.33,50.475 79.355,50.475 80.355,51.475 IC17L.5@81.48,51.475
  BOT w0.152: J88.59@0.63,33.245 0.738,33.245 1.214,33.721 2.032,33.721 2.736,34.425 18.455,34.425 v2(24.305,40.275)
FORCE_P12: IC17M.5 J88.61 | length 60.1
  TOP w0.152: J88.61@0.63,34.845 0.919,34.845 1.324,35.25 1.961,35.25 2.611,35.9 12.755,35.9 27.73,50.875 27.73,52.475 33.055,57.8 40.68,57.8 42.605,59.725 46.955,59.725 47.955,60.725 IC17M.5@49.08,60.725
FORCE_P13: IC17N.5 J88.63 | length 91.4
  TOP w0.152: v1(34.63,54.6) 39.48,54.6 ; 39.53,54.65 39.955,55.075 47.855,55.075 48.555,54.375 69.955,54.375 75.33,59.75 79.355,59.75 80.355,60.75 IC17N.5@81.48,60.75
  BOT w0.152: J88.63@0.63,36.445 0.738,36.445 1.214,36.921 2.032,36.921 2.903,37.792 15.647,37.792 32.455,54.6 v1(34.63,54.6)
FORCE_P14: IC17O.5 J88.65 | length 67.4
  TOP w0.152: J88.65@0.63,38.045 0.919,38.045 1.324,38.45 1.961,38.45 2.611,39.1 11.83,39.1 25.33,52.6 25.33,62.3 30.005,66.975 40.58,66.975 42.605,69 46.955,69 47.955,70 IC17O.5@49.08,70
FORCE_P15: IC17P.5 J88.67 | length 99
  TOP w0.152: v1(27.73,56.95) 27.705,56.975 27.705,60.775 30.855,63.925 39.53,63.925 39.955,64.35 47.855,64.35 48.555,63.65 52.655,63.65 53.205,64.2 70.505,64.2 73.33,67.025 73.33,68.625 73.73,69.025 79.355,69.025 80.355,70.025 IC17P.5@81.48,70.025
  BOT w0.152: J88.67@0.63,39.645 0.738,39.645 1.214,40.121 2.032,40.121 2.804,40.893 14.748,40.893 27.73,53.875 v1(27.73,56.95)
FRTDIN_N00: J1.3 J4.2 | length 19.4
  TOP w0.152: J1.3@234.73,80.45 234.73,82.05 236.376,83.696 248.601,83.696 249.409,84.504 249.409,85.884 249.38,85.914 249.38,86.445 J4.2@249.275,86.55
FRTDIN_N01: J2.8 J4.4 | length 20.9
  BOT w0.152: J2.8@234.73,80.45 234.73,81.9 236.743,83.913 250.368,83.913 251.009,84.554 251.009,86.416 J4.4@250.875,86.55
FRTDIN_N02: J1.7 J4.6 | length 20.7
  TOP w0.152: J1.7@236.73,80.45 236.73,81.6 237.555,82.425 251.1,82.425 252.609,83.934 252.609,85.884 252.58,85.914 252.58,86.445 J4.6@252.475,86.55
FRTDIN_N03: J2.4 J4.8 | length 21.9
  BOT w0.152: J2.4@236.73,80.45 236.73,81.6 237.626,82.496 251.176,82.496 252.568,83.888 253.488,83.888 254.209,84.609 254.209,86.416 J4.8@254.075,86.55
FRTDIN_N04: J4.10 J5.3 | length 8.7
  TOP w0.152: J5.3@251.73,80.45 251.73,81.329 253.559,83.159 255.299,83.159 255.808,83.668 255.808,83.703 255.809,83.704 J4.10@255.809,86.416
FRTDIN_N05: J4.12 J6.8 | length 10.3
  BOT w0.152: J6.8@251.73,80.45 251.73,81.329 253.171,82.771 256.309,82.771 257.409,83.871 257.409,86.416 J4.12@257.275,86.55
FRTDIN_N06: J4.14 J5.7 | length 9.9
  TOP w0.152: J5.7@253.73,80.45 253.73,81.45 254.139,81.859 257.074,81.859 259.009,83.795 259.009,84.585 J4.14@259.009,86.416
FRTDIN_N07: J4.16 J6.4 | length 11.9
  BOT w0.152: J6.4@253.73,80.45 253.73,81.5 253.883,81.653 258.743,81.653 260.609,83.52 260.609,86.416 J4.16@260.475,86.55
FRTDIN_N08: J4.18 J7.3 | length 11
  TOP w0.152: J4.18@262.075,86.55 262.209,86.416 262.209,83.896 264.526,81.579 268.201,81.579 268.73,81.05 J7.3@268.73,80.45
FRTDIN_N09: J4.20 J8.8 | length 9.2
  BOT w0.152: J4.20@263.675,86.55 263.809,86.416 263.809,84.491 266.276,82.025 268.04,82.025 268.73,81.335 J8.8@268.73,80.45
FRTDIN_N10: J4.22 J7.7 | length 9.3
  TOP w0.152: J4.22@265.409,86.416 265.408,86.414 265.408,84.418 266.93,82.896 268.784,82.896 270.73,80.95 J7.7@270.73,80.45
FRTDIN_N11: J4.24 J8.4 | length 8.3
  BOT w0.152: J4.24@266.875,86.55 267.009,86.416 267.009,84.546 268.03,83.525 269.01,83.525 270.73,81.805 J8.4@270.73,80.45
FRTDIN_N12: J4.26 J9.3 | length 21.3
  TOP w0.152: J4.26@268.475,86.55 J4.26@268.58,86.445 ; J4.26@268.609,86.416 268.609,84.742 271.01,82.341 284.864,82.341 285.73,81.475 J9.3@285.73,80.45
FRTDIN_N13: J4.28 J10.8 | length 19.9
  BOT w0.152: J4.28@270.075,86.55 270.209,86.416 270.209,84.571 272.439,82.341 284.864,82.341 285.73,81.475 J10.8@285.73,80.45
FRTDIN_N14: J4.30 J9.7 | length 20.6
  TOP w0.152: J4.30@271.675,86.55 271.809,86.416 271.809,84.166 272.275,83.7 274.905,83.7 274.909,83.696 285.609,83.696 287.73,81.575 J9.7@287.73,80.45
FRTDIN_N15: J4.32 J10.4 | length 18.8
  BOT w0.152: J4.32@273.275,86.55 273.409,86.416 273.409,84.521 274.214,83.716 285.589,83.716 287.73,81.575 J10.4@287.73,80.45
FRTDIN_P00: J1.4 J4.3 | length 18.5
  TOP w0.152: J1.4@235.23,80.45 235.23,82.025 236.621,83.416 249.226,83.416 250.075,84.265 J4.3@250.075,85.4
FRTDIN_P01: J2.7 J4.5 | length 20
  BOT w0.152: J2.7@235.23,80.45 235.23,82.005 236.859,83.634 250.957,83.634 251.675,84.352 J4.5@251.675,85.4
FRTDIN_P02: J1.8 J4.7 | length 19.5
  TOP w0.152: J1.8@237.23,80.45 237.23,81.65 237.684,82.104 251.204,82.104 253.275,84.175 J4.7@253.275,85.4
FRTDIN_P03: J2.3 J4.9 | length 21.1
  BOT w0.152: J2.3@237.23,80.45 237.23,81.65 237.796,82.216 251.321,82.216 252.714,83.609 254.319,83.609 254.875,84.165 J4.9@254.875,85.4
FRTDIN_P04: J4.11 J5.4 | length 7.7
  TOP w0.152: J5.4@252.23,80.45 252.23,81.434 253.675,82.879 255.414,82.879 256.087,83.552 256.087,83.557 256.475,83.945 J4.11@256.475,85.4
FRTDIN_P05: J4.13 J6.7 | length 9.3
  BOT w0.152: J6.7@252.23,80.45 252.23,81.434 253.286,82.491 256.551,82.491 258.075,84.016 J4.13@258.075,85.4
FRTDIN_P06: J4.15 J5.8 | length 8.8
  TOP w0.152: J5.8@254.23,80.45 254.23,81.325 254.484,81.579 257.189,81.579 259.675,84.065 J4.15@259.675,85.4
FRTDIN_P07: J4.17 J6.3 | length 10.4
  BOT w0.152: J6.3@254.23,80.45 254.23,81.05 254.554,81.374 258.858,81.374 261.275,83.79 J4.17@261.275,85.4
FRTDIN_P08: J4.19 J7.4 | length 9.7
  TOP w0.152: J4.19@262.875,85.4 262.875,83.625 264.641,81.859 268.317,81.859 269.23,80.946 J7.4@269.23,80.45
FRTDIN_P09: J4.21 J8.7 | length 8
  BOT w0.152: J4.21@264.475,85.4 264.475,84.221 266.346,82.35 268.11,82.35 269.23,81.23 J8.7@269.23,80.45
FRTDIN_P10: J4.23 J7.8 | length 8.2
  TOP w0.152: J4.23@266.075,85.4 266.075,84.145 267.045,83.175 268.985,83.175 271.23,80.93 J7.8@271.23,80.45
FRTDIN_P11: J4.25 J8.3 | length 7
  BOT w0.152: J4.25@267.675,85.4 267.675,84.33 268.18,83.825 269.105,83.825 271.23,81.7 J8.3@271.23,80.45
FRTDIN_P12: J4.27 J9.4 | length 20.1
  TOP w0.152: J4.27@269.275,85.4 269.357,85.318 269.357,84.473 271.209,82.621 285.109,82.621 286.23,81.5 J9.4@286.23,80.45
FRTDIN_P13: J4.29 J10.7 | length 18.6
  BOT w0.152: J4.29@270.875,85.4 270.875,84.355 272.609,82.621 285.109,82.621 286.23,81.5 J10.7@286.23,80.45
FRTDIN_P14: J4.31 J9.8 | length 19.1
  TOP w0.152: J4.31@272.475,85.4 272.475,84.355 272.851,83.979 275.021,83.979 275.025,83.975 285.93,83.975 288.23,81.675 J9.8@288.23,80.45
FRTDIN_P15: J4.33 J10.3 | length 17.6
  BOT w0.152: J4.33@274.075,85.4 274.075,84.28 274.359,83.996 285.909,83.996 288.23,81.675 J10.3@288.23,80.45